# Allegro board 6089-119-RevB_08.brd (continued)
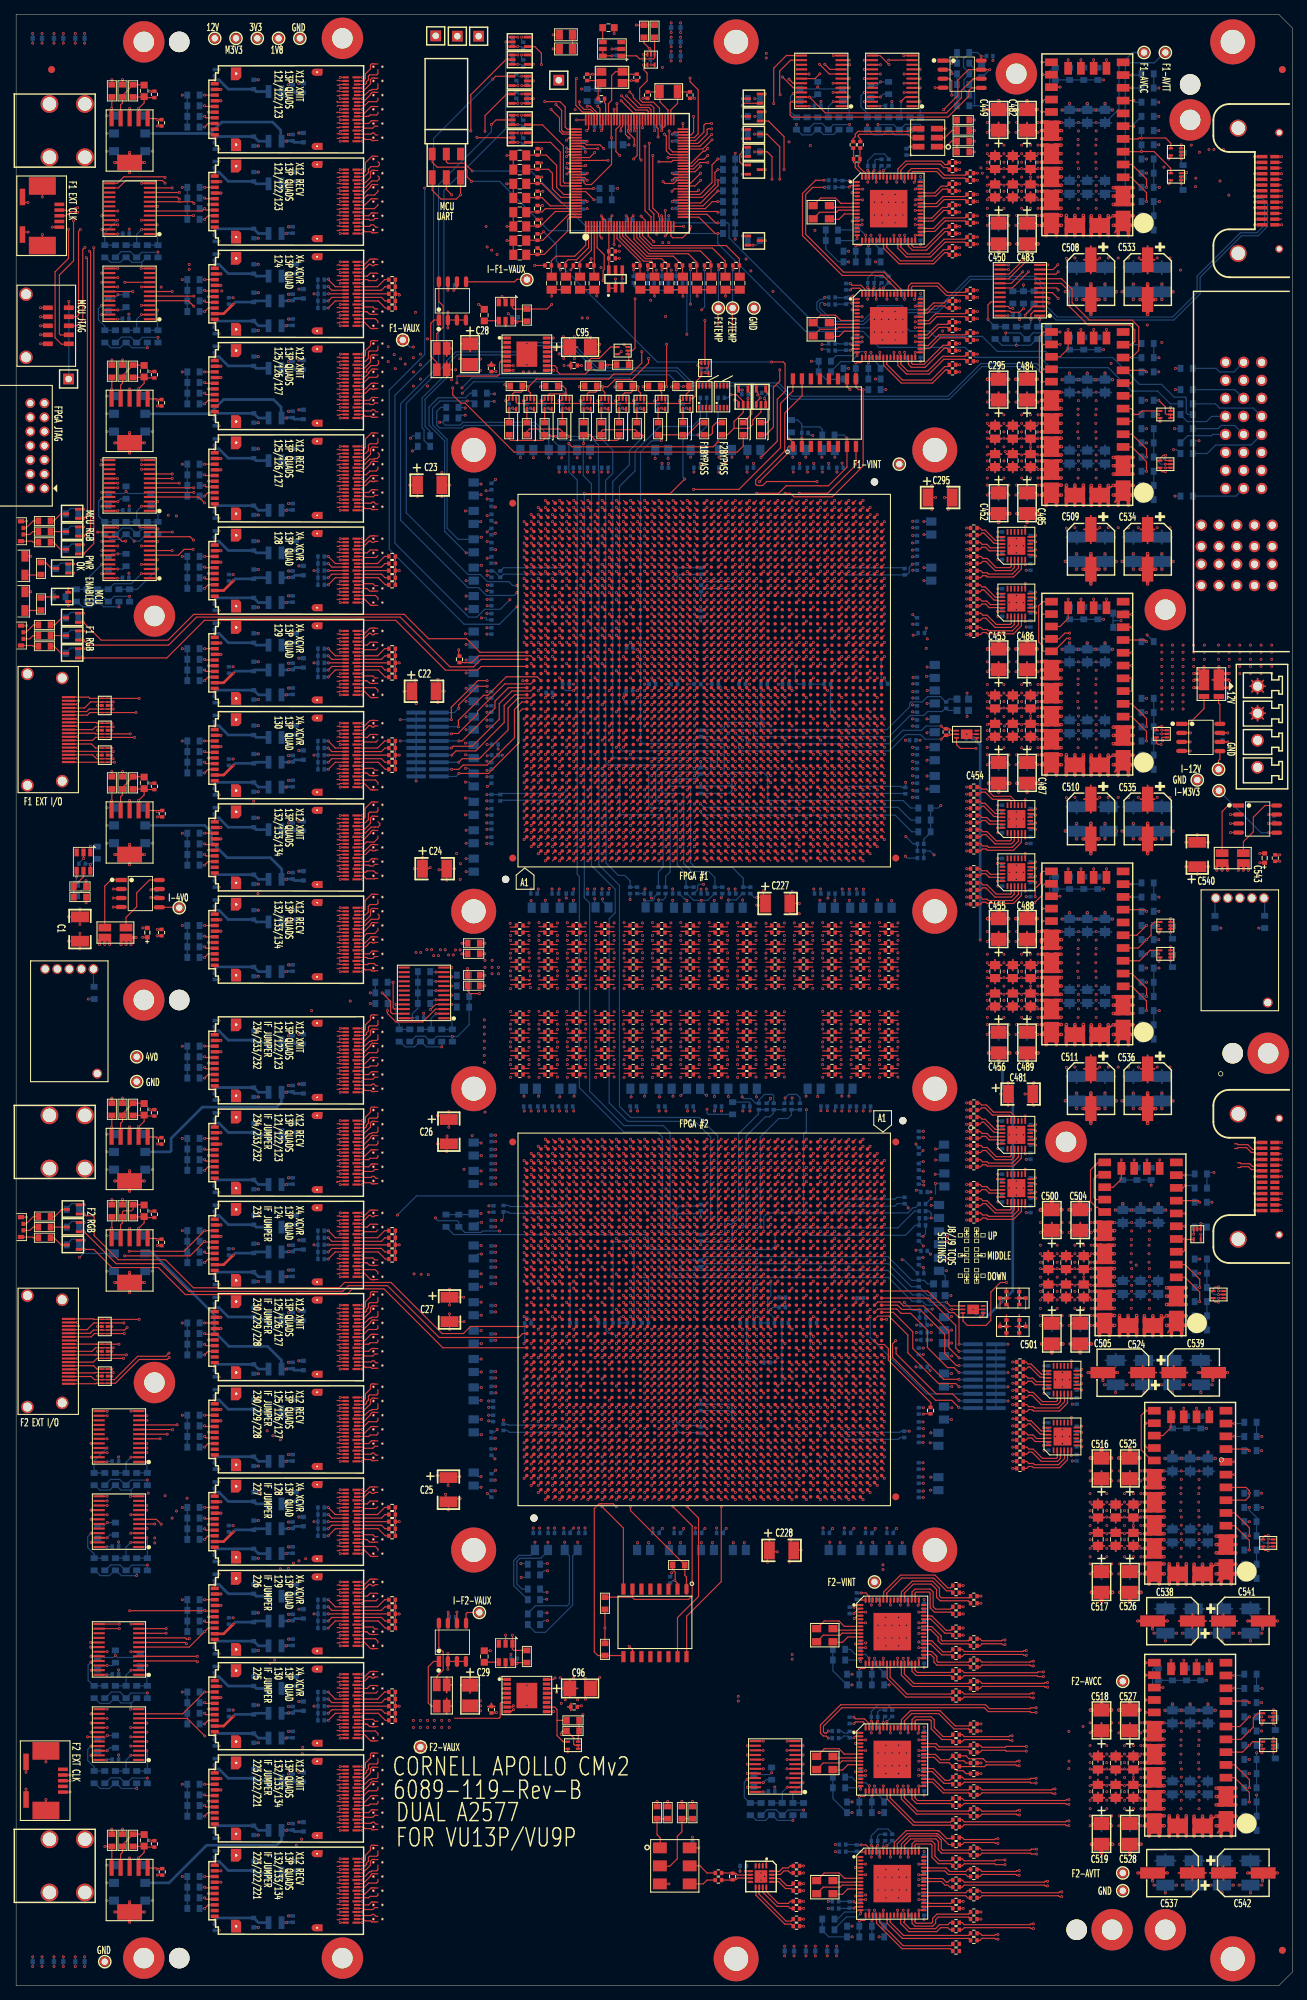
[diagram p0: board, top side]
## Routing (per net, layer and track width the routed paths; a pad name or vN(x,y) marks a point on that pad's centre or on a via; arc(x,y) is an arc through that point) (continued)
  BOTTOM w0.38: C1147.2 v1(34.15,121.56) ; C557.2 v1(166,13.09) ; C557.2 v1(167.6,14.19) ; C557.2 v1(164.4,14.19) ; C1102.2 v1(38.39,156.85) ; C1067.2 v1(39.85,88.06) ; C568.2 v1(162,13.09) ; C568.2 v1(160.4,14.19) ; C568.2 v1(163.6,14.19) ; C1071.2 v1(39.85,30.06) ; C1144.2 v1(34.15,142.24) ; C1066.2 v1(39.85,95.06) ; C1101.2 v1(38.39,163.85) ; C1156.2 v1(34.15,69.56) ; C1068.2 v1(39.85,66.06) ; C1083.2 v1(38.85,69.56) ; C592.2 v1(155,83.59) ; C592.2 v1(153.4,84.69) ; C592.2 v1(156.6,84.69) ; C1146.2 v1(34.15,125.24) ; C1131.2 v1(34.15,207.24) ; C556.2 v1(164.4,49.69) ; C556.2 v1(166,48.59) ; C556.2 v1(167.6,49.69) ; C1108.2 v1(38.39,100.85) ; C549.2 v1(170,48.59) ; C549.2 v1(171.6,49.69) ; C549.2 v1(168.4,49.69) ; C1160.2 v1(34.15,52.56) ; C1080.2 v1(38.85,121.56) ; C1152.2 v1(34.15,95.56) ; C1103.2 v1(38.39,143.85) ; C546.2 v1(174,48.59) ; C546.2 v1(172.4,49.69) ; C546.2 v1(175.6,49.69) ; C562.2 v1(164.6,84.69) ; C562.2 v1(161.4,84.69) ; C562.2 v1(163,83.59) ; C1137.2 v1(34.15,181.24) ; C555.2 v1(165.4,84.69) ; C555.2 v1(167,83.59) ; C555.2 v1(168.6,84.69) ; C1093.2 v1(38.39,221.85) ; C1063.2 v1(39.85,134.06) ; C1095.2 v1(38.39,199.35) ; C1065.2 v1(39.85,105.06) ; C1140.2 v1(34.15,168.24) ; C1107.2 v1(38.39,104.35) ; C1168.2 v1(34.15,8.24) ; C1104.2 v1(38.39,133.85) ; C1115.2 v1(38.39,48.85) ; C575.2 v1(159,83.59) ; C575.2 v1(157.4,84.69) ; C575.2 v1(160.6,84.69) ; C1133.2 v1(34.15,199.56) ; C1087.2 v1(38.39,267.85) ; C1120.2 v1(38.39,9.85) ; C1166.2 v1(34.15,21.24) ; C1064.2 v1(39.85,127.06) ; C1054.2 v1(39.85,261.06) ; C1143.2 v1(34.15,151.56) ; C1132.2 v1(34.15,203.56) ; C1153.2 v1(34.15,86.24) ; C1086.2 v1(38.85,17.56) ; C1100.2 v1(38.39,169.85) ; C1151.2 v1(34.15,99.24) ; C1119.2 v1(38.39,22.85) ; C1070.2 v1(39.85,40.06) ; C1112.2 v1(38.39,65.35) ; C1162.2 v1(34.15,43.56) ; C1157.2 v1(34.15,65.56) ; C1159.2 v1(34.15,56.56) ; C567.2 v1(163.6,49.69) ; C567.2 v1(162,48.59) ; C567.2 v1(160.4,49.69) ; C1091.2 v1(38.39,234.85) ; C1090.2 v1(38.39,238.35) ; C547.2 v1(175.6,14.19) ; C547.2 v1(172.4,14.19) ; C547.2 v1(174,13.09) ; C1082.2 v1(38.85,82.56) ; C1117.2 v1(38.39,35.85) ; C1074.2 v1(38.5,242.56) ; C1081.2 v1(38.85,108.56) ; C1141.2 v1(34.15,164.56) ; C1097.2 v1(38.39,186.35) ; C1150.2 v1(34.15,104.56) ; C1073.2 v1(38.85,255.56) ; C1114.2 v1(38.39,52.35) ; C1105.2 v1(38.39,126.85) ; C1149.2 v1(34.15,108.56) ; C1058.2 v1(39.85,200.06) ; C550.2 v1(171.6,14.19) ; C550.2 v1(170,13.09) ; C550.2 v1(168.4,14.19) ; C1125.2 v1(34.15,242.56) ; C1061.2 v1(39.85,164.06) ; C1057.2 v1(39.85,222.06) ; C1089.2 v1(38.39,247.85) ; C1079.2 v1(38.85,151.56) ; C1055.2 v1(39.85,239.06) ; C1130.2 v1(34.15,216.56) ; C1076.2 v1(38.85,203.56) ; C1165.2 v1(34.15,30.56) ; C1077.2 v1(38.85,190.56) ; C1124.2 v1(34.15,246.24) ; C1078.2 v1(38.85,177.56) ; C1127.2 v1(34.15,233.24) ; C1136.2 v1(34.15,186.56) ; C1121.2 v1(34.15,268.56) ; C1098.2 v1(38.39,182.85) ; C1154.2 v1(34.15,82.56) ; C1085.2 v1(38.85,43.56) ; C1056.2 v1(39.85,229.06) ; C1106.2 v1(38.39,113.85) ; C1148.2 v1(34.15,112.24) ; C1069.2 v1(39.85,53.06) ; C1099.2 v1(38.39,173.35) ; C1126.2 v1(34.15,238.56) ; C1060.2 v1(39.85,174.06) ; C1094.2 v1(38.39,208.85) ; C1123.2 v1(34.15,255.56) ; C1163.2 v1(34.15,39.56) ; C1096.2 v1(38.39,195.85) ; C1139.2 v1(34.15,173.56) ; C1145.2 v1(34.15,134.56) ; C1053.2 v1(39.85,268.06) ; C1134.2 v1(34.15,194.24) ; C1142.2 v1(34.15,155.24) ; C1059.2 v1(39.85,187.06) ; C1158.2 v1(34.15,60.24) ; C1138.2 v1(34.15,177.56) ; C1116.2 v1(38.39,39.35) ; C1161.2 v1(34.15,47.24) ; C1110.2 v1(38.39,87.85) ; C1062.2 v1(39.85,157.06) ; C1129.2 v1(34.15,220.24) ; C1128.2 v1(34.15,229.56) ; C1075.2 v1(38.85,216.56) ; C1135.2 v1(34.15,190.56) ; C1088.2 v1(38.39,260.85) ; C1113.2 v1(38.39,61.85) ; C1122.2 v1(34.15,259.24) ; C1111.2 v1(38.39,74.85) ; C1072.2 v1(39.85,23.06) ; C1092.2 v1(38.39,228.85) ; C1155.2 v1(34.15,73.24) ; C1118.2 v1(38.39,29.85) ; C1084.2 v1(38.85,56.56) ; C1167.2 v1(34.15,17.56) ; C1164.2 v1(34.15,34.24) ; C1109.2 v1(38.39,94.85)
  BOTTOM w0.5: C486.2 v1(140.94,188.36) ; C486.2 v1(142.5,189.6) ; C486.2 v1(143.91,188.36) ; v1(149.49,237.59) 149.49,238.7 ; 149.49,238.7 v1(147.9,238.7) ; 149.49,238.7 v1(149.49,239.78) ; v1(157.49,201.78) 157.49,200.7 ; 157.49,200.7 v1(155.9,200.7) ; 157.49,200.7 v1(157.49,199.59) ; 151,150.31 C623.2 v1(151,151.22) ; 151,150.31 v1(149.75,150.31) ; 151,150.31 v1(152.2,150.31) 153.5,150.31 ; C637.2 148.5,226.31 v1(147.45,226.31) ; C637.2 v1(148.5,227.22) ; C637.2 149.75,226.31 ; C563.2 v1(163,75.22) ; C563.2 163,74.31 v1(161.95,74.31) ; C563.2 164.25,74.31 ; C600.2 v1(153.5,239.78) ; C600.2 v1(155.1,238.69) ; C600.2 v1(153.5,237.59) ; v1(147.9,124.7) 149.49,124.7 ; C635.2 148.5,264.31 v1(147.45,264.31) ; C635.2 v1(148.5,265.22) ; C635.2 149.75,264.31 ; 153.5,162.69 v1(153.5,161.59) ; 153.5,162.69 C597.2 v1(155.1,162.69) ; 153.5,162.69 v1(153.5,163.78) ; v1(149.49,201.78) 149.49,200.7 ; 149.49,200.7 v1(147.9,200.7) ; 149.49,200.7 v1(149.49,199.59) ; C482.2 v1(143.91,264.36) ; C482.2 v1(140.94,264.36) ; C482.2 v1(142.5,265.6) ; v1(147.9,162.7) 149.49,162.7 ; 165.5,74.31 v1(166.7,74.31) 168,74.31 ; 165.5,74.31 v1(164.25,74.31) ; 165.5,74.31 C558.2 v1(165.5,75.22) ; C641.2 v1(148.5,151.22) ; C641.2 149.75,150.31 ; C641.2 148.5,150.31 v1(147.45,150.31) ; 158.5,109.31 v1(159.7,109.31) 161,109.31 ; 158.5,109.31 v1(157.25,109.31) ; 158.5,109.31 C576.2 v1(158.5,110.22) ; C528.2 v1(158.56,19.94) ; C528.2 v1(155.59,19.94) ; C528.2 v1(157,18.7) ; C527.2 v1(158.41,38.86) ; C527.2 v1(157,40.1) ; C527.2 v1(155.44,38.86) ; C501.2 v1(146,89.2) ; C501.2 v1(144.59,90.44) ; C501.2 v1(147.56,90.44) ; C525.2 v1(155.44,74.36) ; C525.2 v1(157,75.6) ; C525.2 v1(158.41,74.36) ; C487.2 v1(141.09,169.44) ; C487.2 v1(144.06,169.44) ; C487.2 v1(142.5,168.2) ; C516.2 v1(154.41,74.36) ; C516.2 v1(151.44,74.36) ; C516.2 v1(153,75.6) ; C608.2 v1(153.5,123.59) ; C608.2 v1(153.5,125.78) ; C608.2 v1(155.1,124.69) ; 151,188.31 C621.2 v1(151,189.22) ; 151,188.31 v1(152.2,188.31) 153.5,188.31 ; 151,188.31 v1(149.75,188.31) ; C517.2 v1(154.56,55.44) ; C517.2 v1(153,54.2) ; C517.2 v1(151.59,55.44) ; C454.2 v1(137.09,169.44) ; C454.2 v1(138.5,168.2) ; C454.2 v1(140.06,169.44) ; C565.2 v1(163,39.72) ; C565.2 163,38.81 v1(161.95,38.81) ; C565.2 164.25,38.81 ; C500.2 v1(147.41,109.36) ; C500.2 144.44,109.36 144.44,109.29 v1(144.37,109.29) ; C500.2 v1(146,110.6) ; v1(157.49,123.59) 157.49,124.7 ; 157.49,124.7 v1(157.49,125.78) ; 157.49,124.7 v1(155.9,124.7) ; C570.2 v1(163.1,200.69) ; C570.2 v1(161.5,201.78) ; C570.2 v1(161.5,199.59) ; C489.2 v1(142.5,130.2) ; C489.2 v1(141.09,131.44) ; C489.2 v1(144.06,131.44) ; C488.2 v1(142.5,151.6) ; C488.2 v1(140.94,150.36) ; C488.2 v1(143.91,150.36) ; v1(149.49,123.59) 149.49,124.7 ; 149.49,124.7 v1(149.49,125.78) ; C455.2 v1(138.5,151.6) ; C455.2 v1(139.91,150.36) ; C455.2 v1(136.94,150.36) ; v1(162.05,109.31) 161,109.31 ; C483.2 v1(142.5,244.2) ; C483.2 v1(144.06,245.44) ; C483.2 v1(141.09,245.44) ; C571.2 v1(161.5,163.78) ; C571.2 v1(161.5,161.59) ; C571.2 v1(163.1,162.69) ; 153.5,226.31 v1(154.55,226.31) ; C449.2 v1(136.94,264.36) ; C449.2 v1(139.91,264.36) ; C449.2 v1(138.5,265.6) ; C485.2 v1(142.5,206.2) ; C485.2 v1(141.09,207.44) ; C485.2 v1(144.06,207.44) ; C456.2 v1(140.06,131.44) ; C456.2 v1(137.09,131.44) ; C456.2 v1(138.5,130.2) ; v1(151,227.22) C619.2 151,226.31 ; C518.2 v1(151.44,38.86) ; C518.2 v1(154.41,38.86) ; C518.2 v1(153,40.1) ; v1(149.49,163.78) 149.49,162.7 ; 149.49,162.7 v1(149.49,161.59) ; v1(154.95,109.31) 156,109.31 C590.2 ; C505.2 v1(151.56,90.44) ; C505.2 v1(148.59,90.44) ; C505.2 v1(150,89.2) ; C569.2 v1(163.1,238.69) ; C569.2 v1(161.5,237.59) ; C569.2 v1(161.5,239.78) ; C606.2 v1(153.5,151.22) ; C452.2 v1(138.5,206.2) ; C452.2 v1(137.09,207.44) ; C452.2 v1(140.06,207.44) ; C453.2 v1(139.91,188.36) ; C453.2 v1(138.5,189.6) ; C453.2 v1(136.94,188.36) ; C573.2 v1(161,110.22) ; C572.2 v1(163.1,124.69) ; C572.2 v1(161.5,125.78) ; C572.2 v1(161.5,123.59) ; C504.2 v1(151.41,109.36) ; C504.2 v1(148.44,109.36) ; C504.2 v1(150,110.6) ; 153.5,264.31 v1(152.2,264.31) 151,264.31 ; C603.2 v1(155.1,200.69) ; C603.2 v1(153.5,199.59) ; C603.2 v1(153.5,201.78) ; C639.2 v1(148.5,189.22) ; C639.2 148.5,188.31 v1(147.45,188.31) ; C639.2 149.75,188.31 ; 151,226.31 v1(149.75,226.31) ; 151,226.31 v1(152.2,226.31) 153.5,226.31 ; 151,264.31 v1(149.75,264.31) ; 151,264.31 C617.2 v1(151,265.22) ; 157.49,238.7 v1(155.9,238.7) ; 157.49,238.7 v1(157.49,237.59) ; 157.49,238.7 v1(157.49,239.78) ; 153.5,188.31 v1(154.55,188.31) ; v1(165.5,39.72) C560.2 165.5,38.81 ; v1(157.49,161.59) 157.49,162.7 ; 157.49,162.7 v1(157.49,163.78) ; 157.49,162.7 v1(155.9,162.7) ; C519.2 v1(153,18.7) ; C519.2 v1(151.59,19.94) ; C519.2 v1(154.56,19.94) ; C526.2 v1(157,54.2) ; C526.2 v1(155.59,55.44) ; C526.2 v1(158.56,55.44) ; 165.5,38.81 v1(166.7,38.81) 168,38.81 ; 165.5,38.81 v1(164.25,38.81) ; C450.2 v1(137.09,245.44) ; C450.2 v1(138.5,244.2) ; C450.2 v1(140.06,245.44) ; C553.2 v1(168,39.72) ; C590.2 v1(156,110.22) ; C590.2 157.25,109.31 ; v1(169.05,74.31) 168,74.31 ; C484.2 v1(143.91,226.36) ; C484.2 v1(140.94,226.36) ; C484.2 v1(142.5,227.6) ; 153.5,150.31 v1(154.55,150.31) ; C604.2 v1(153.5,189.22) ; C451.2 v1(136.94,226.36) ; C451.2 v1(139.91,226.36) ; C451.2 v1(138.5,227.6) ; C598.2 v1(153.5,265.22) ; C551.2 v1(168,75.22) ; C601.2 v1(153.5,227.22) ; 168,38.81 v1(169.05,38.81) ; 153.5,264.31 v1(154.55,264.31)
  vias: v1(69.65,149.7) v1(69.7,148) v1(69.7,147.3) v1(69.7,145.5) v1(69.7,144.8) v1(69.7,143) v1(69.7,142.3) v1(69.7,140.5) v1(69.7,137.3) v1(69.7,135.5) v1(69.7,134.8) v1(69.7,133) v1(69.7,132.3) v1(69.7,130.5) v1(69.7,129.8) v1(69.7,128) v1(72,231.4) v1(72,228.4) v1(72,42.35) v1(72,39.5) v1(72.3,149.75) v1(72.3,148) v1(72.3,147.3) v1(72.3,145.55) v1(72.35,144.8) v1(72.35,143) v1(72.3,137.3) v1(72.3,135.5) v1(72.3,134.8) v1(72.3,133.05) v1(72.3,132.24) v1(72.3,130.5) v1(72.3,129.8) v1(72.3,128.05) v1(72.5,142.3) v1(72.5,140.65) v1(73.7,149.8) v1(73.7,148) v1(73.7,147.3) v1(73.7,145.5) v1(73.7,144.8) v1(73.7,143) v1(73.7,142.3) v1(73.7,140.5) v1(73.7,137.3) v1(73.7,135.5) v1(73.7,134.8) v1(73.7,133) v1(73.7,132.3) v1(73.7,130.5) v1(73.7,129.8) v1(73.7,128) v1(76.3,149.75) v1(76.3,148) v1(76.3,147.25) v1(76.3,145.5) v1(76.3,144.75) v1(76.3,143) v1(76.3,142.3) v1(76.3,140.55) v1(76.3,137.25) v1(76.3,135.5) v1(76.3,134.75) v1(76.3,133) v1(76.3,132.25) v1(76.3,130.5) v1(76.3,129.8) v1(76.3,128.05) v1(77.6,137.3) v1(77.6,135.5) v1(77.7,149.8) v1(77.7,148) v1(77.7,147.3) v1(77.7,145.5) v1(77.7,144.8) v1(77.7,143) v1(77.7,142.3) v1(77.7,140.5) v1(77.7,134.8) v1(77.7,133) v1(77.7,132.3) v1(77.7,130.5) v1(77.7,129.8) v1(77.7,128) v1(80.3,149.75) v1(80.3,148) v1(80.3,147.3) v1(80.3,145.55) v1(80.3,144.75) v1(80.3,143) v1(80.3,142.3) v1(80.3,140.55) v1(80.3,137.25) v1(80.3,135.5) v1(80.3,134.8) v1(80.3,133.05) v1(80.3,132.25) v1(80.3,130.5) v1(80.3,129.8) v1(80.3,128.05) v1(81.6,137.3) v1(81.6,135.5) v1(81.7,149.8) v1(81.7,148) v1(81.7,147.3) v1(81.7,145.5) v1(81.7,144.8) v1(81.7,143) v1(81.7,142.3) v1(81.7,140.5) v1(81.7,134.8) v1(81.7,133) v1(81.7,132.3) v1(81.7,130.5) v1(81.7,129.8) v1(81.7,128) v1(84.3,149.75) v1(84.3,148) v1(84.3,147.3) v1(84.3,145.55) v1(84.3,144.75) v1(84.3,143) v1(84.3,142.3) v1(84.3,140.55) v1(84.3,137.25) v1(84.3,135.5) v1(84.3,134.8) v1(84.3,133.05) v1(84.3,132.25) v1(84.3,130.5) v1(84.3,129.8) v1(84.3,128.05) v1(85.6,137.3) v1(85.6,135.5) v1(85.7,149.8) v1(85.7,148) v1(85.7,147.3) v1(85.7,145.5) v1(85.7,144.8) v1(85.7,143) v1(85.7,142.3) v1(85.7,140.5) v1(85.7,134.8) v1(85.7,133) v1(85.7,132.3) v1(85.7,130.5) v1(85.7,129.8) v1(85.7,128) v1(88.3,149.75) v1(88.3,148) v1(88.3,147.3) v1(88.3,145.55) v1(88.3,144.75) v1(88.3,143) v1(88.3,142.3) v1(88.3,140.55) v1(88.3,137.25) v1(88.3,135.45) v1(88.3,134.8) v1(88.3,133.05) v1(88.3,132.25) v1(88.3,130.5) v1(88.3,129.8) v1(88.3,128.05) v1(89.6,137.3) v1(89.6,135.5) v1(89.7,149.8) v1(89.7,148) v1(89.7,147.3) v1(89.7,145.5) v1(89.7,144.8) v1(89.7,143) v1(89.7,142.3) v1(89.7,140.5) v1(89.7,134.8) v1(89.7,133) v1(89.7,132.3) v1(89.7,130.5) v1(89.7,129.8) v1(89.7,128) v1(92.3,149.75) v1(92.3,148) v1(92.3,147.3) v1(92.3,145.55) v1(92.3,144.75) v1(92.3,143) v1(92.3,142.3) v1(92.3,140.55) v1(92.3,137.25) v1(92.3,135.5) v1(92.3,134.8) v1(92.3,133.05) v1(92.3,132.25) v1(92.3,130.5) v1(92.3,129.8) v1(92.3,128.05) v1(93.6,137.3) v1(93.6,135.5) v1(93.7,149.8) v1(93.7,148) v1(93.7,147.3) v1(93.7,145.5) v1(93.7,144.8) v1(93.7,143) v1(93.7,142.3) v1(93.7,140.5) v1(93.7,134.8) v1(93.7,133) v1(93.7,132.3) v1(93.7,130.5) v1(93.7,129.8) v1(93.7,128) v1(96.3,149.75) v1(96.3,148) v1(96.3,147.3) v1(96.3,145.55) v1(96.3,144.75) v1(96.3,143) v1(96.3,142.3) v1(96.3,140.55) v1(96.3,137.25) v1(96.3,135.5) v1(96.3,134.8) v1(96.3,133.05) v1(96.3,132.25) v1(96.3,130.5) v1(96.3,129.8) v1(96.3,128.05) v1(97.7,149.8) v1(97.7,148) v1(97.7,147.3) v1(97.7,145.5) v1(97.7,144.8) v1(97.7,143) v1(97.7,142.3) v1(97.7,140.5) v1(97.7,137.3) v1(97.7,135.5) v1(97.7,134.8) v1(97.7,133) v1(97.7,132.3) v1(97.7,130.5) v1(97.7,129.8) v1(97.7,128) v1(100.3,149.75) v1(100.3,148) v1(100.3,147.3) v1(100.3,145.55) v1(100.3,144.75) v1(100.3,143) v1(100.3,142.3) v1(100.3,140.55) v1(100.3,137.25) v1(100.3,135.5) v1(100.3,134.8) v1(100.3,133.05) v1(100.3,132.25) v1(100.3,130.5) v1(100.3,129.8) v1(100.3,128.05) v1(101.7,149.8) v1(101.7,148) v1(101.7,147.3) v1(101.7,145.5) v1(101.7,144.8) v1(101.7,143) v1(101.7,142.3) v1(101.7,140.5) v1(101.7,137.3) v1(101.7,135.5) v1(101.7,134.8) v1(101.7,133) v1(101.7,132.3) v1(101.7,130.5) v1(101.7,129.8) v1(101.7,128) v1(104.3,149.75) v1(104.3,148) v1(104.3,147.3) v1(104.3,145.55) v1(104.3,144.75) v1(104.3,143) v1(104.3,142.3) v1(104.3,140.55) v1(104.3,137.25) v1(104.3,135.5) v1(104.3,134.8) v1(104.3,133.05) v1(104.3,132.25) v1(104.3,130.5) v1(104.3,129.8) v1(104.3,128.05) v1(105,15.9) v1(105,14.9) v1(105.5,15.4) v1(105.71,149.71) v1(105.7,148) v1(105.7,147.3) v1(105.7,145.5) v1(105.7,144.8) v1(105.7,143) v1(105.7,142.3) v1(105.7,140.5) v1(105.7,137.3) v1(105.7,135.5) v1(105.7,134.8) v1(105.7,133) v1(105.7,132.3) v1(105.7,130.5) v1(105.7,129.8) v1(105.7,128) v1(108.3,149.75) v1(108.3,148) v1(108.3,147.3) v1(108.3,145.55) v1(108.3,144.75) v1(108.3,143) v1(108.3,142.3) v1(108.3,140.55) v1(108.3,137.25) v1(108.3,135.5) v1(108.3,134.8) v1(108.3,133.05) v1(108.3,132.25) v1(108.3,130.5) v1(108.3,129.8) v1(108.3,128.05) v1(109.7,149.76) v1(109.7,148) v1(109.7,147.3) v1(109.7,145.5) v1(109.7,144.8) v1(109.7,143) v1(109.7,142.3) v1(109.7,140.5) v1(112.3,149.75) v1(112.3,148) v1(112.3,147.3) v1(112.3,145.55) v1(112.3,144.75) v1(112.3,143) v1(112.3,142.3) v1(112.3,140.55) v1(113.7,149.8) v1(113.7,148) v1(113.7,147.3) v1(113.7,145.5) v1(113.7,144.8) v1(113.7,143) v1(113.7,142.3) v1(113.7,140.5) v1(113.7,137.3) v1(113.7,135.5) v1(113.7,134.8) v1(113.7,133) v1(113.7,132.3) v1(113.7,130.5) v1(113.7,129.8) v1(113.7,128) v1(116.3,149.75) v1(116.3,148) v1(116.3,147.3) v1(116.3,145.55) v1(116.3,144.75) v1(116.3,143) v1(116.3,142.3) v1(116.3,140.55) v1(116.3,137.25) v1(116.3,135.5) v1(116.3,134.8) v1(116.3,133.05) v1(116.3,132.25) v1(116.3,130.5) v1(116.3,129.8) v1(116.3,128.05) v1(117.7,149.8) v1(117.7,148) v1(117.7,147.3) v1(117.7,145.5) v1(117.7,144.8) v1(117.7,143) v1(117.7,142.3) v1(117.7,140.5) v1(117.7,137.3) v1(117.7,135.5) v1(117.7,134.8) v1(117.7,133) v1(117.7,132.3) v1(117.7,130.5) v1(117.7,129.8) v1(117.7,128) v1(120.3,149.75) v1(120.3,148) v1(120.3,147.3) v1(120.3,145.55) v1(120.3,144.8) v1(120.3,143) v1(120.3,142.3) v1(120.3,140.55) v1(120.3,137.25) v1(120.3,135.5) v1(120.3,134.8) v1(120.3,133.05) v1(120.3,132.3) v1(120.3,130.5) v1(120.3,129.8) v1(120.3,128.05) v1(121,251.3) v1(121,249.5) v1(121,234.8) v1(121,233) v1(121.5,50.8) v1(121.5,49) v1(121.5,32.8) v1(121.5,31) v1(121.5,15.3) v1(121.5,13.5) v1(121.7,149.8) v1(121.7,148) v1(121.7,147.3) v1(121.7,145.5) v1(121.7,144.8) v1(121.7,143) v1(121.7,142.3) v1(121.7,140.5) v1(121.7,137.3) v1(121.7,135.5) v1(121.7,134.8) v1(121.7,133) v1(121.7,132.3) v1(121.7,130.5) v1(121.7,129.8) v1(121.7,128) v1(122,251.3) v1(122,249.5) v1(122,234.8) v1(122,233) v1(122.1,252.4) v1(122.1,248.4) v1(122.1,235.9) v1(122.1,231.9) v1(122.5,50.8) v1(122.5,49) v1(122.5,32.8) v1(122.5,31) v1(122.5,15.3) v1(122.5,13.5) v1(122.6,51.9) v1(122.6,47.9) v1(122.6,33.9) v1(122.6,29.9) v1(122.6,16.4) v1(122.6,12.4) v1(123,251.3) v1(123,249.5) v1(123,234.8) v1(123,233) v1(123.5,50.8) v1(123.5,49) v1(123.5,32.8) v1(123.5,31) v1(123.5,15.3) v1(123.5,13.5) v1(123.9,252.4) v1(123.9,248.4) v1(123.9,235.9) v1(123.9,231.9) v1(124,251.3) v1(124,249.5) v1(124,234.8) v1(124,233) v1(124.3,149.75) v1(124.3,148) v1(124.3,147.3) v1(124.3,145.55) v1(124.3,144.75) v1(124.3,143) v1(124.3,142.3) v1(124.3,140.55) v1(124.3,137.25) v1(124.3,135.5) v1(124.3,134.8) v1(124.3,133.05) v1(124.3,132.25) v1(124.3,130.5) v1(124.3,129.8) v1(124.3,128.05) v1(124.4,51.9) v1(124.4,47.9) v1(124.4,33.9) v1(124.4,29.9) v1(124.4,16.4) v1(124.4,12.4) v1(124.5,50.8) v1(124.5,49) v1(124.5,32.8) v1(124.5,31) v1(124.5,15.3) v1(124.5,13.5) v1(125,251.3) v1(125,249.5) v1(125,234.8) v1(125,233) v1(125.5,50.8) v1(125.5,49) v1(125.5,32.8) v1(125.5,31) v1(125.5,15.3) v1(125.5,13.5) v1(136.9,256.05) v1(136.9,254.85) v1(136.9,253.7) v1(136.9,218.05) v1(136.9,216.85) v1(136.9,215.7) v1(136.9,180.05) v1(136.9,178.85) v1(136.9,177.7) v1(136.9,142.05) v1(136.9,140.85) v1(136.9,139.7) v1(139.25,256.05) v1(139.25,254.85) v1(139.25,253.7) v1(139.25,218.05) v1(139.25,216.85) v1(139.25,180.05) v1(139.25,178.85) v1(139.25,142.05) v1(139.25,140.85) v1(139.25,139.7) v1(139.32,177.51) v1(139.43,216.18) v1(140,202.9) v1(140,194.9) v1(140,164.4) v1(140,156.9) v1(140,119.9) v1(140,112.4) v1(141,203.9) v1(141,202.9) v1(141,201.9) v1(141,195.9) v1(141,194.9) v1(141,193.9) v1(141,165.4) v1(141,164.4) v1(141,163.4) v1(141,157.9) v1(141,156.9) v1(141,155.9) v1(141,120.9) v1(141,119.9) v1(141,118.9) v1(141,113.4) v1(141,112.4) v1(141,111.4) v1(141.75,256.05) v1(141.75,254.85) v1(141.75,253.7) v1(141.75,218.05) v1(141.75,216.85) v1(141.75,215.7) v1(141.75,180.05) v1(141.75,178.85) v1(141.75,177.7) v1(141.75,142.05) v1(141.75,140.85) v1(141.75,139.7) v1(142,202.9) v1(142,194.9) v1(142,164.4) v1(142,156.9) v1(142,119.9) v1(142,112.4) v1(143,254.85) v1(143,216.85) v1(143,178.85) v1(143,140.85) v1(144.05,256.05) v1(144.05,254.85) v1(144.05,253.7) v1(144.05,218.05) v1(144.05,216.85) v1(144.05,215.7) v1(144.05,180.05) v1(144.05,178.85) v1(144.05,177.7) v1(144.05,142.05) v1(144.05,140.85) v1(144.05,139.7) v1(144.4,101.05) v1(144.4,99.85) v1(144.4,98.7) v1(146.5,85.4) v1(146.5,77.4) v1(146.75,101.05) v1(146.75,99.85) v1(146.75,98.7) v1(147.5,86.4) v1(147.5,85.4) v1(147.5,84.4) v1(147.5,78.4) v1(147.5,77.4) v1(147.5,76.4) v1(148.5,85.4) v1(148.5,77.4) v1(149.25,101.05) v1(149.25,99.85) v1(149.25,98.7) v1(149.75,256.05) v1(149.75,254.9) v1(149.75,253.7) v1(149.75,218.05) v1(149.75,216.9) v1(149.75,215.7) v1(149.75,180.05) v1(149.75,178.9) v1(149.75,177.7) v1(149.75,142.05) v1(149.75,140.9) v1(149.75,139.7) v1(150.5,99.85) v1(151.4,66.05) v1(151.4,64.85) v1(151.4,63.7) v1(151.4,30.55) v1(151.4,29.35) v1(151.4,28.2) v1(151.55,101.05) v1(151.55,99.85) v1(151.55,98.7) v1(152.25,256.05) v1(152.25,254.9) v1(152.25,253.7) v1(152.25,218.05) v1(152.25,216.9) v1(152.25,215.7) v1(152.25,180.05) v1(152.25,178.9) v1(152.25,177.7) v1(152.25,142.05) v1(152.25,140.9) v1(152.25,139.7) v1(153.75,66.05) v1(153.75,64.85) v1(153.75,63.7) v1(153.75,30.55) v1(153.75,29.35) v1(153.75,28.2) v1(156.25,66.05) v1(156.25,64.85) v1(156.25,63.7) v1(156.25,30.55) v1(156.25,29.35) v1(156.25,28.2) v1(157.25,101.05) v1(157.25,99.9) v1(157.25,98.7) v1(157.5,64.85) v1(157.5,29.35) v1(158.55,66.05) v1(158.55,64.85) v1(158.55,63.7) v1(158.55,30.55) v1(158.55,29.35) v1(158.55,28.2) v1(159.75,101.05) v1(159.75,99.9) v1(159.75,98.7) v1(164.25,66.05) v1(164.25,64.9) v1(164.25,63.7) v1(164.25,30.55) v1(164.25,29.4) v1(164.25,28.2) v1(166.75,66.05) v1(166.75,64.9) v1(166.75,63.7) v1(166.75,30.55) v1(166.75,29.4) v1(166.75,28.2)
